# Altium PCB 键盘 - 俊杰.PcbDoc (part 3 of 4)
Units mil, origin at the board's own origin, x right, y up, seen from the top; angles counter-clockwise.
Board outline 17460 x 5880 mil, 2 copper layers (Top Layer, Bottom Layer); 278 components, 283 nets, 1577 pads, 1412 vias.
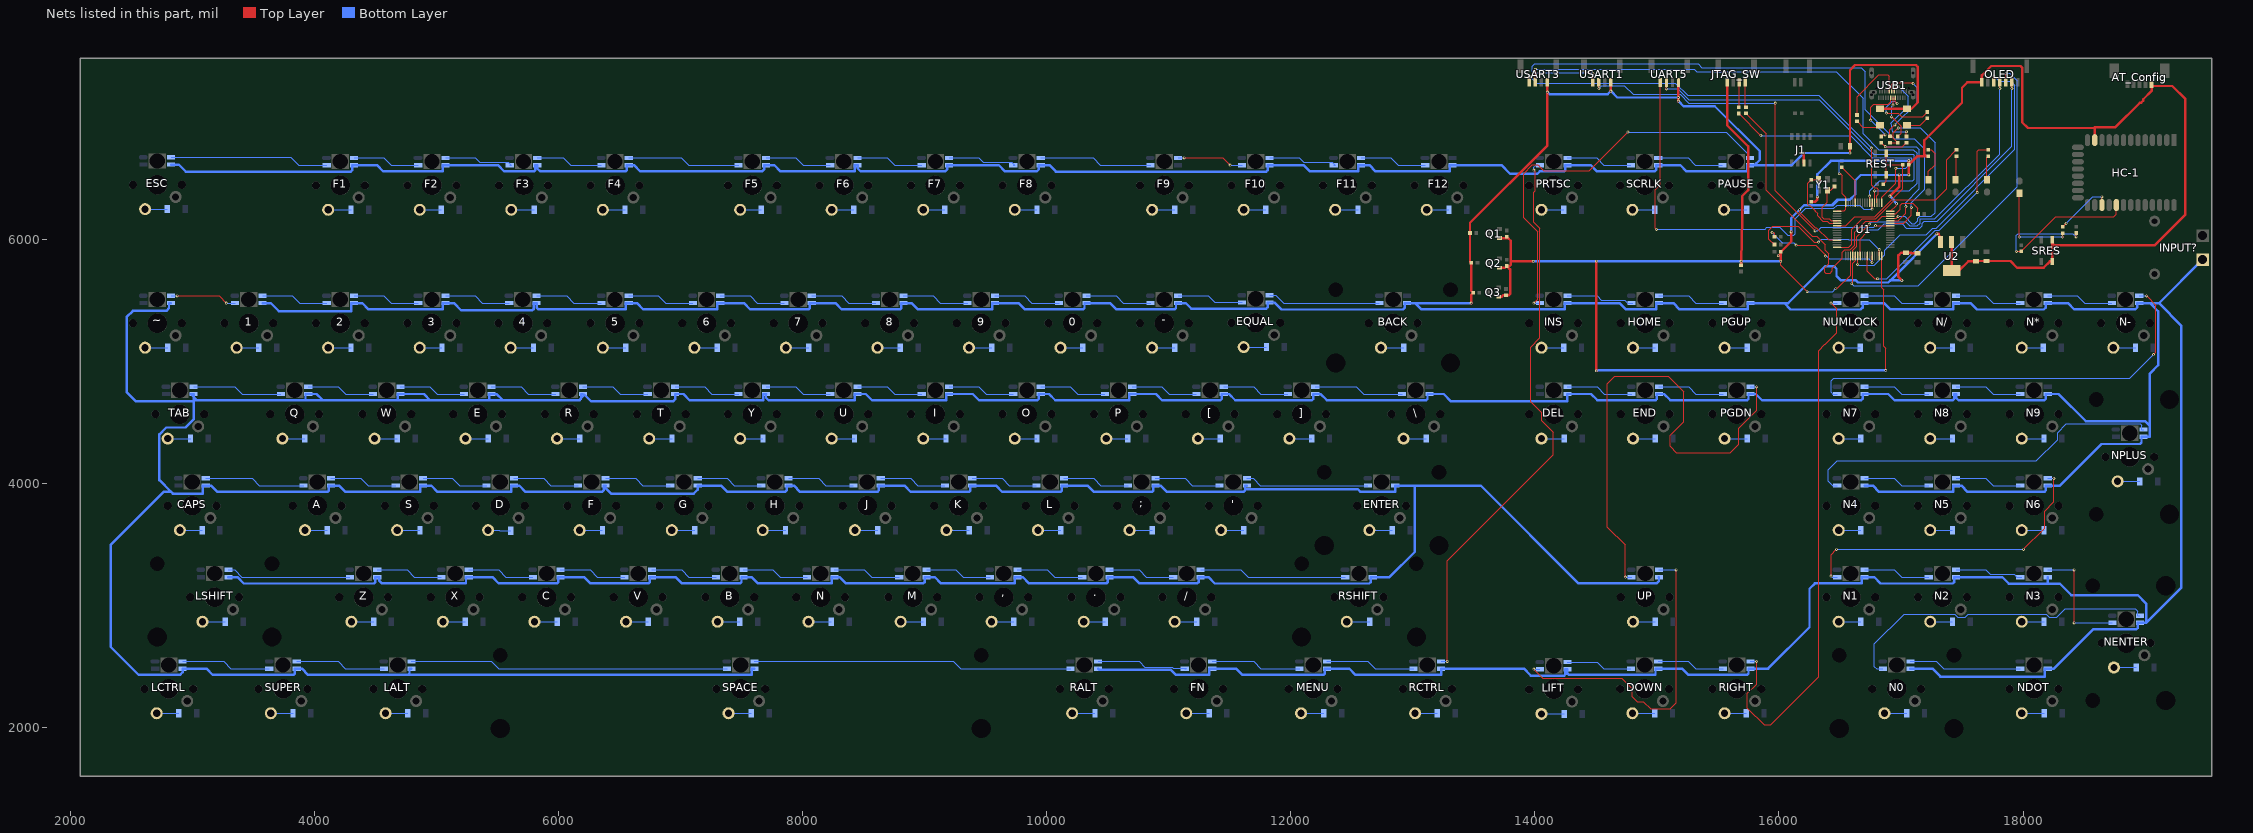
[diagram p3: the nets of this part, all layers, seen from the top]

## Via types
v1: diameter 20, hole 10, Top Layer to Bottom Layer, 1072 vias
v2: diameter 24.02, hole 12.01, Top Layer to Bottom Layer, 310 vias
v3: diameter 20, hole 10, Top Layer to Bottom Layer, tented both sides, 30 vias

## Nets (pads, with @x,y where several pads share a name; then routed paths per layer and width w, separated by ;. In a path a pad name is that pad's centre, name@x,y a point inside that pad or via, vN(x,y) a via of type N, cw(c..) or ccw(c..) an arc to the next point about the centre after c; other vN are vias at no path point) (continued)
L_VCC: 0.3 1.3 2.3 3.3 4.3 5.3 6.3 7.3 8.3 9.3 '.3 ,.3 -.3 ..3 /.3 ;.3 [.3 \.3 ].3 A.3 B.3 BACK.3 C9.2 C10.2 C13.1 C.3 CAPS.3 D.3 DEL.3 DOWN.3 E.3 END.3 ENTER.3 EQUAL.3 ESC.3 F1.3 F2.3 F3.3 F4.3 F5.3 F6.3 F7.3 F8.3 F10.3 F11.3 F12.3 F.3 FN.3 FUSB2.2 FUSB.1 G.3 H.3 HOME.3 I.3 INPUT?.2 INS.3 J1.3 J.3 K.3 L.3 LALT.3 LCTRL.3 LIFT.3 LSHIFT.3 M.3 MENU.3 N0.3 N1.3 N2.3 N3.3 N4.3 N5.3 N6.3 N7.3 N8.3 N9.3 N*.3 N-.3 N.3 N/.3 NDOT.3 NENTER.3 NPLUS.3 NUMLOCK.3 O.3 P.3 PAUSE.3 PGDN.3 PGUP.3 PRTSC.3 Q.3 R9.2 R12.2 R19.2 R.3 RALT.3 RCTRL.3 RIGHT.3 RSHIFT.3 S.3 SCRLK.3 SPACE.3 SUPER.3 T.3 TAB.3 U2.3 U.3 UART5.1 UP.3 USART1.1 USART3.1 V.3 W.3 X.3 Y.3 Z.3 ~.3 | length 114127.8
  Top Layer w20: v2(13479,5475) 13479,5544 R19.2@13495,5560 13479.41,5575.59 R12.2@13479.41,5805 13469.41,5815 R9.2@13469.41,6050 13469.41,6133.41 14103.43,6767.43 v2(14103.43,7204) USART3.1@14103.43,7285 ; v2(14623.43,7212.56) USART1.1@14623.43,7285 ; v2(15177.17,7130.76) v2(15177.17,7159.83) UART5.1@15177.17,7283.11 ; J1.3@16205,6623.46 v2(16205,6705) ; v2(16582.4,6705) C13.1@16582.4,6760 16582.4,7383.4 16625,7426 17122,7426 17138,7410 17138,7120 17085.5,7067.5 FUSB2.2@17050,7067.5 FUSB.1@16830,7067.5 ; v2(17008,5661) 16979.26,5689.74 16979.26,5865.84 17000.81,5887.4 C9.2@17040,5887.4 17086,5887.4 17088.59,5884.8 C10.2@17135,5884.8 ; v2(17295,6043) 17311.45,6043 U2.3@17324.45,5976.93
  Bottom Layer w20: ~.3@2827.2,5475.47 2811,5475.47 2811,5434 2789,5412 2515,5412 2463,5360 2463,4746 2539,4670 3013,4670 ; ESC.3@2827.2,6610.47 2891,6610.47 2948.47,6553 4300,6553 4311,6564 4311,6605.47 F1.3@4327.2,6605.47 4514.53,6605.47 4566,6554 5054,6554 5054,6605.47 F2.3@5077.2,6605.47 5505.53,6605.47 5557,6554 5800,6554 5811,6565 5811,6605.47 F3.3@5827,6605.47 ; LCTRL.3@2922.2,2480.47 LCTRL.3@2923,2480.47 ; LSHIFT.3@3297.2,3230.47 3371,3230.47 3423.47,3178 4490,3178 4501,3189 4501,3230.47 Z.3@4517.2,3230.47 4534,3230.47 4534,3200 4555,3179 5244,3179 5244,3230.47 X.3@5267.2,3230.47 5461,3230.47 5512.47,3179 5990,3179 6001,3190 6001,3230.47 C.3@6017.2,3230.47 6211,3230.47 6262.47,3179 6740,3179 6751,3190 6751,3230.47 V.3@6767.2,3230.47 6961,3230.47 7012.47,3179 7490,3179 7501,3190 7501,3230.47 B.3@7517.2,3230.47 7584.53,3230.47 7636,3179 8239,3179 8239,3230.47 N.3@8262.2,3230.47 8305,3230.47 8356.47,3179 8990,3179 9001,3190 9001,3230.47 M.3@9017.2,3230.47 9084.53,3230.47 9136,3179 9739,3179 9739,3230.47 9762.2,3230.47 9805,3230.47 9856.47,3179 10490,3179 10501,3190 10501,3230.47 ..3@10517.2,3230.47 10709,3230.47 10760.47,3179 11235,3179 11246,3190 11246,3230.47 /.3@11262.2,3230.47 11326,3230.47 11378.47,3178 12644,3178 12656,3190 12656,3230.47 RSHIFT.3@12672.2,3230.47 12810,3230.47 13018,3438.47 13018,3974.47 13012,3980.47 ; 1.3@3577.2,5475.47 3644.53,5475.47 3710,5410 4304,5410 4304,5475.47 2.3@4327.2,5475.47 4394.53,5475.47 4446,5424 5054,5424 5054,5475.47 3.3@5077.2,5475.47 5144.53,5475.47 5205,5415 5785.83,5415 5794.96,5424.13 5798.74,5424.13 5798.74,5427.91 5799,5428.17 5799,5475.47 4.3@5822,5475.47 ; LALT.3@4797.2,2480.47 4781,2480.47 4781,2440 4770,2429 ; 4.3@5822.2,5475.47 4.3@5822,5475.47 ; F3.3@5827.2,6605.47 F3.3@5827,6605.47 ; R.3@6202.2,4730.47 6186,4730.47 6186,4690 6175,4679 5546.47,4679 ; F.3@6387.2,3980.47 F.3@6387,3980.47 ; SPACE.3@7607.2,2480.47 7584,2480.47 7584,2429 4770,2429 ; Y.3@7702.2,4730.47 Y.3@7702,4730.47 ; F6.3@8452.2,6605.47 F6.3@8452,6605.47 ; RALT.3@10422.2,2480.47 10432.68,2470 11020,2470 11061,2429 11334,2429 11334,2480.47 FN.3@11357.2,2480.47 11553,2480.47 11604.47,2429 12270,2429 12281,2440 12281,2480.47 MENU.3@12297.2,2480.47 12480.53,2480.47 12532,2429 13232.2,2429 RCTRL.3@13232.2,2480.47 13910.53,2480.47 13967,2424 14240,2424 14251,2435 14251,2475.47 LIFT.3@14267,2475.47 ; '.3@11642.2,3980.47 11626,3980.47 11626,3951 ; v2(13479,5475) 13478.53,5475.47 13019.53,5475.47 ; v2(14103.43,7204) 14121.43,7186 14596.87,7186 v2(14623.43,7212.56) 14676.15,7159.83 v2(15177.17,7159.83) ; LIFT.3@14267.2,2475.47 LIFT.3@14267,2475.47 ; UP.3@15017.2,3230.47 15018,3230.47 15018,3200 14997,3179 14359,3179 13557.53,3980.47 13012,3980.47 ; v2(15177.17,7130.76) 15219.96,7087.96 15475.04,7087.96 15843,6720 15843,6648.47 15800,6605.47 ; v2(16582.4,6705) v2(16205,6705) 16105.47,6605.47 15800,6605.47 ; N4.3@16702.2,3980.47 16769.53,3980.47 16821,3929 17429,3929 17429,3980.47 N5.3@17452.2,3980.47 17495,3980.47 17546.47,3929 18175,3929 18186,3940 18186,3980.47 N6.3@18202.2,3980.47 18302.47,3980.47 18643,4321 18960,4321 18971,4332 18971,4380.47 NPLUS.3@18987.2,4380.47 19039,4380.47 19039,4468 ; v2(17008,5661) 16913,5661 ; N0.3@17077.2,2480.47 17257.53,2480.47 17323,2415 18179,2415 18179,2480.47 NDOT.3@18202.2,2480.47 18254,2480.47 18577.53,2804 18930,2804 18941,2815 18941,2855.47 NENTER.3@18957.2,2855.47 19008.47,2855.47 19009,2856 ; v2(17295,6043) 16913,5661 ; N8.3@17452.2,4730.47 N8.3@17452,4730.47 ; N3.3@18202.2,3230.47 18203,3230.47 18203,3189 18190,3176 ; INPUT?.2@19471.85,5831.57 19115.75,5475.47 ; 2828.74,3929 2842.74,3915 3089,3915 3089,3980.47 CAPS.3@3112.2,3980.47 3155,3980.47 3207.47,3928 4110,3928 4121,3939 4121,3980.47 A.3@4137.2,3980.47 4204.53,3980.47 4256,3929 4869,3929 4869,3980.47 S.3@4892.2,3980.47 4959.53,3980.47 5011,3929 5614,3929 5614,3980.47 D.3@5637.2,3980.47 5680,3980.47 5731.47,3929 6360,3929 6371,3940 6371,3980.47 F.3@6387,3980.47 ; 2828.74,3929 2732,4025.74 2732,4400 2788,4456 2946.12,4456 3013,4522.88 3013,4670 ; 2828.74,3929 2766,3929 2332,3495 2332,2660 2563,2429 2900,2429 2923,2452 LCTRL.3@2923,2480.47 ; LCTRL.3@2923,2480.47 3118,2480.47 3169.47,2429 3830,2429 3841,2440 3841,2480.47 SUPER.3@3857.2,2480.47 3899.53,2480.47 ; 3013,4670 3022,4679 3929,4679 ; 3013,4670 3013,4730.47 TAB.3@3012.2,4730.47 2989,4730.47 3040.47,4679 3929,4679 ; 3899.53,2480.47 3900,2480.47 3951.47,2429 ; 3899.53,2480.47 3951,2429 3951.47,2429 ; 3929,4679 4071,4679 ; 3929,4679 3929,4730.47 Q.3@3952.2,4730.47 4019.53,4730.47 4071,4679 ; 3951.47,2429 4770,2429 ; 4071,4679 4684,4679 ; 4684,4679 4950.47,4679 ; 4684,4679 4684,4730.47 W.3@4707.2,4730.47 4899,4730.47 4950.47,4679 ; 4950.47,4679 5425,4679 ; 5425,4679 5546.47,4679 ; 5425,4679 5436,4690 5436,4730.47 E.3@5452.2,4730.47 5495,4730.47 5546.47,4679 ; 5546.47,4679 6169,4679 6215,4725 6270,4670 6940,4670 6957.2,4687.2 T.3@6957.2,4730.47 7024.53,4730.47 7076,4679 7679,4679 7679,4730.47 Y.3@7702,4730.47 ; 4.3@5822,5475.47 5822,5440 5838,5424 6554,5424 6554,5475.47 5.3@6577.2,5475.47 6644.53,5475.47 6696,5424 7304,5424 7304,5475.47 6.3@7327.2,5475.47 7521,5475.47 7572.47,5424 8050,5424 8061,5435 8061,5475.47 7.3@8077.2,5475.47 8271,5475.47 8322.47,5424 8800,5424 8811,5435 8811,5475.47 8.3@8827.2,5475.47 8894.53,5475.47 8946,5424 9554,5424 9554,5475.47 9.3@9577.2,5475.47 9771,5475.47 9822.47,5424 10300,5424 10311,5435 10311,5475.47 0.3@10327.2,5475.47 10521,5475.47 10572.47,5424 11050,5424 11061,5435 11061,5475.47 -.3@11077.2,5475.47 11141,5475.47 11187.47,5429 11800,5429 11811,5440 11811,5480.47 EQUAL.3@11827.2,5480.47 11869,5480.47 11926.47,5423 12920,5423 12936,5439 12936,5475.47 BACK.3@12952.2,5475.47 13019.53,5475.47 ; F3.3@5827,6605.47 5827,6580 5853,6554 6550,6554 6561,6565 6561,6605.47 F4.3@6577.2,6605.47 6620,6605.47 6671.47,6554 7670,6554 7686,6570 7686,6605.47 F5.3@7702.2,6605.47 7769.53,6605.47 7821,6554 8429,6554 8429,6605.47 F6.3@8452,6605.47 ; F.3@6387,3980.47 6387,3960 6432,3915 7110,3915 7142.2,3947.2 G.3@7142.2,3980.47 7334,3980.47 7385.47,3929 7860,3929 7871,3940 7871,3980.47 H.3@7887.2,3980.47 7930,3980.47 7981.47,3929 8615,3929 8626,3940 8626,3980.47 J.3@8642.2,3980.47 8836,3980.47 8887.47,3929 9365,3929 9376,3940 9376,3980.47 K.3@9392.2,3980.47 9586,3980.47 9637.47,3929 10115,3929 10126,3940 10126,3980.47 L.3@10142.2,3980.47 10336,3980.47 10387.47,3929 10865,3929 10876,3940 10876,3980.47 10892.2,3980.47 10935,3980.47 10986.47,3929 11615,3929 11626,3940 11626,3951 ; Y.3@7702,4730.47 7702,4700 7723,4679 8429,4679 8429,4730.47 U.3@8452.2,4730.47 8519.53,4730.47 8571,4679 9179,4679 9179,4730.47 I.3@9202.2,4730.47 9396,4730.47 9447.47,4679 9925,4679 9936,4690 9936,4730.47 O.3@9952.2,4730.47 10019.53,4730.47 10071,4679 10679,4679 10679,4730.47 P.3@10702.2,4730.47 10896,4730.47 10947.47,4679 11425,4679 11436,4690 11436,4730.47 [.3@11452.2,4730.47 11495,4730.47 11546.47,4679 12175,4679 12186,4690 12186,4730.47 ].3@12202.2,4730.47 12245,4730.47 12296.47,4679 13110,4679 13121,4690 13121,4730.47 \.3@13137.2,4730.47 13254.53,4730.47 13315,4670 14267.2,4670 DEL.3@14267.2,4730.47 14461,4730.47 14512.47,4679 14990,4679 15001,4690 15001,4730.47 END.3@15017.2,4730.47 15060,4730.47 15111.47,4679 15740,4679 15751,4690 15751,4730.47 PGDN.3@15767.2,4730.47 15810,4730.47 15861.47,4679 16675,4679 16686,4690 16686,4730.47 N7.3@16702.2,4730.47 16896,4730.47 16947.47,4679 17425,4679 17436,4690 17436,4730.47 N8.3@17452,4730.47 ; F6.3@8452,6605.47 8452,6580 8478,6554 9170,6554 9186,6570 9186,6605.47 F7.3@9202.2,6605.47 9608.53,6605.47 9660,6554 9920,6554 9936,6570 9936,6605.47 F8.3@9952.2,6605.47 10024,6605.47 10076.47,6553 11800,6553 11811,6564 11811,6605.47 F10.3@11827.2,6605.47 12106.53,6605.47 12158,6554 12554,6554 12554,6605.47 F11.3@12577.2,6605.47 12644.53,6605.47 12696,6554 13304,6554 13304,6605.47 F12.3@13327.2,6605.47 13727.53,6605.47 13797.88,6535.12 14021.88,6535.12 14040.76,6554 14240,6554 14251,6565 14251,6605.47 PRTSC.3@14267.2,6605.47 14459,6605.47 14510.47,6554 14980,6554 14996,6570 14996,6605.47 SCRLK.3@15012.2,6605.47 15191.53,6605.47 15243,6554 15739,6554 15739,6605.47 PAUSE.3@15762.2,6605.47 15800,6605.47 ; 11626,3951 12550,3951 12572,3929 12857.2,3929 ENTER.3@12857.2,3980.47 13012,3980.47 ; 13019.53,5475.47 13071,5424 14244,5424 14244,5475.47 INS.3@14267.2,5475.47 14695.53,5475.47 14747,5424 14994,5424 14994,5475.47 HOME.3@15017.2,5475.47 15135.53,5475.47 15187,5424 15744,5424 15744,5475.47 PGUP.3@15767.2,5475.47 16044,5475.47 ; LIFT.3@14267,2475.47 14267,2440 14278,2429 14989,2429 14989,2480.47 DOWN.3@15012.2,2480.47 15207,2480.47 15258.47,2429 15740,2429 15751,2440 15751,2480.47 RIGHT.3@15767.2,2480.47 15911.47,2480.47 16251,2820 16251,3135 16295,3179 16679,3179 16679,3230.47 N1.3@16702.2,3230.47 16781,3230.47 16833.47,3178 17424,3178 17436,3190 17436,3230.47 N2.3@17452.2,3230.47 17829.53,3230.47 17884,3176 18190,3176 ; 16044,5475.47 16076.59,5475.47 16380,5778.88 16450.01,5778.88 16472,5756.9 16472,5698 16506.12,5663.88 16626.88,5663.88 16646.88,5643.88 16895.88,5643.88 16913,5661 ; 16044,5475.47 16096.47,5423 16670,5423 16686,5439 16686,5475.47 NUMLOCK.3@16702.2,5475.47 16862.53,5475.47 16914,5424 17429,5424 17429,5475.47 N/.3@17452.2,5475.47 17570,5475.47 17622.47,5423 18170,5423 18186,5439 18186,5475.47 N*.3@18202.2,5475.47 18368.53,5475.47 18420,5424 18920,5424 18936,5440 18936,5475.47 N-.3@18952.2,5475.47 19040,5475.47 ; N8.3@17452,4730.47 17452,4700 17473,4679 18175,4679 18186,4690 18186,4730.47 N9.3@18202.2,4730.47 18292,4730.47 18513.73,4508.74 18998.26,4508.74 19039,4468 ; 18190,3176 18302,3176 18396,3082 18941,3082 19009,3014 19009,2856 ; 19009,2856 19297,3144 19297,5286.47 19115.75,5475.47 ; 19039,4468 19039,4898 19108,4967 19108,5407.47 19040,5475.47 ; 19040,5475.47 19115.75,5475.47
LED1(PA2): R5.2 U1.16 | length 1522.1
  Top Layer w10: U1.16@16476.5,5932.36 16572.36,5932.36 16597.35,5957.35 16597.35,6080.35 16682.62,6165.62 16794,6165.62 16948.38,6320 17285,6320 17376,6411 17376,6651.58 R5.2@17455,6730.59
LED2(PB0): R6.2 U1.26 | length 1778
  Top Layer w10: U1.26@16724.53,5861.5 16724.53,5735.47 16785,5675 v2(16809.53,5675) ; v2(17625,6380) 17625,6720 17635.59,6730.59 R6.2@17715,6730.59
  Bottom Layer w10: v2(16809.53,5675) 16882.72,5675 17279.04,6071.32 17313.32,6071.32 17622,6380 v2(17625,6380)
Net0_2: 0.2 D27.1 | length 182
  Bottom Layer w10: 0.2@10115,5110 D27.1@10297,5110
Net0_4: 0.4 -.6 | length 550.1
  Bottom Layer w10: 0.4@10327.2,5534.53 10571,5534.53 10630.06,5475.47 -.6@10852.8,5475.47
Net0_6: 0.6 9.4 | length 550.1
  Bottom Layer w10: 9.4@9577.2,5534.53 9821,5534.53 9880.06,5475.47 0.6@10102.8,5475.47
Net1_2: 1.2 D18.1 | length 182
  Bottom Layer w10: 1.2@3365,5110 D18.1@3547,5110
Net1_4: 1.4 2.6 | length 550.1
  Bottom Layer w10: 1.4@3577.2,5534.53 3821,5534.53 3880.06,5475.47 2.6@4102.8,5475.47
Net1_6: 1.6 ~.4 | length 550.4
  Top Layer w10: v2(2878,5535) 3220.47,5535 v2(3280,5475.47)
  Bottom Layer w10: ~.4@2827.2,5534.53 2877.53,5534.53 v2(2878,5535) ; v2(3280,5475.47) 1.6@3352.8,5475.47
Net2_2: 2.2 D19.1 | length 187
  Bottom Layer w10: 2.2@4115,5110 D19.1@4302,5110
Net2_4: 2.4 3.6 | length 550.1
  Bottom Layer w10: 2.4@4327.2,5534.53 4571,5534.53 4630.06,5475.47 3.6@4852.8,5475.47
Net3_2: 3.2 D20.1 | length 182
  Bottom Layer w10: 3.2@4865,5110 D20.1@5047,5110
Net3_4: 3.4 4.6 | length 545.1
  Bottom Layer w10: 3.4@5077.2,5534.53 5318,5534.53 5377.06,5475.47 4.6@5597.8,5475.47
Net4_2: 4.2 D21.1 | length 187
  Bottom Layer w10: 4.2@5610,5110 D21.1@5797,5110
Net4_4: 4.4 5.6 | length 555.1
  Bottom Layer w10: 4.4@5822.2,5534.53 6068,5534.53 6127.06,5475.47 5.6@6352.8,5475.47
Net5_2: 5.2 D22.1 | length 187
  Bottom Layer w10: 5.2@6365,5110 D22.1@6552,5110
Net5_4: 5.4 6.6 | length 550.1
  Bottom Layer w10: 5.4@6577.2,5534.53 6821,5534.53 6880.06,5475.47 6.6@7102.8,5475.47
Net6_2: 6.2 D23.1 | length 187
  Bottom Layer w10: 6.2@7115,5110 D23.1@7302,5110
Net6_4: 6.4 7.6 | length 550.1
  Bottom Layer w10: 6.4@7327.2,5534.53 7571,5534.53 7630.06,5475.47 7.6@7852.8,5475.47
Net7_2: 7.2 D24.1 | length 187
  Bottom Layer w10: 7.2@7865,5110 D24.1@8052,5110
Net7_4: 7.4 8.6 | length 550.1
  Bottom Layer w10: 7.4@8077.2,5534.53 8321,5534.53 8380.06,5475.47 8.6@8602.8,5475.47
Net8_2: 8.2 D25.1 | length 187
  Bottom Layer w10: 8.2@8615,5110 D25.1@8802,5110
Net8_4: 8.4 9.6 | length 550.1
  Bottom Layer w10: 8.4@8827.2,5534.53 9071,5534.53 9130.06,5475.47 9.6@9352.8,5475.47
Net9_2: 9.2 D26.1 | length 187
  Bottom Layer w10: 9.2@9365,5110 D26.1@9552,5110
Net'_2: '.2 D56.1 | length 187
  Bottom Layer w10: '.2@11430,3615 D56.1@11617,3615
Net'_4: '.4 ENTER.6 | length 1015.1
  Bottom Layer w10: '.4@11642.2,4039.53 11692.68,4039.53 11751.73,3980.47 ENTER.6@12632.8,3980.47
Net'_6: '.6 ;.4 | length 550.1
  Bottom Layer w10: 10892.2,4039.53 11136,4039.53 11195.06,3980.47 '.6@11417.8,3980.47
Net,_2: ,.2 D66.1 | length 182
  Bottom Layer w10: 9550,2865 D66.1@9732,2865
Net,_4: ,.4 ..6 | length 555.1
  Bottom Layer w10: 9762.2,3289.53 10008,3289.53 10067.06,3230.47 ..6@10292.8,3230.47
Net,_6: ,.6 M.4 | length 545.1
  Bottom Layer w10: M.4@9017.2,3289.53 9258,3289.53 9317.06,3230.47 9537.8,3230.47
Net-_2: -.2 D28.1 | length 187
  Bottom Layer w10: -.2@10865,5110 D28.1@11052,5110
Net-_4: -.4 EQUAL.6 | length 548
  Bottom Layer w10: -.4@11077.2,5534.53 11323,5534.53 11377.06,5480.47 EQUAL.6@11602.8,5480.47
Net._2: ..2 D67.1 | length 177
  Bottom Layer w10: ..2@10305,2865 D67.1@10482,2865
Net._4: ..4 /.6 | length 545.1
  Bottom Layer w10: ..4@10517.2,3289.53 10758,3289.53 10817.06,3230.47 /.6@11037.8,3230.47
Net/_2: /.2 D68.1 | length 182
  Bottom Layer w10: /.2@11050,2865 D68.1@11232,2865
Net/_4: /.4 RSHIFT.6 | length 1210.1
  Bottom Layer w10: /.4@11262.2,3289.53 11592,3289.53 11651.06,3230.47 RSHIFT.6@12447.8,3230.47
Net;_2: ;.2 D55.1 | length 187
  Bottom Layer w10: 10680,3615 D55.1@10867,3615
Net;_6: ;.6 L.4 | length 550.1
  Bottom Layer w10: L.4@10142.2,4039.53 10386,4039.53 10445.06,3980.47 10667.8,3980.47
Net[_2: [.2 D42.1 | length 182
  Bottom Layer w10: [.2@11240,4365 D42.1@11422,4365
Net[_4: [.4 ].6 | length 550.1
  Bottom Layer w10: [.4@11452.2,4789.53 11696,4789.53 11755.06,4730.47 ].6@11977.8,4730.47
Net[_6: [.6 P.4 | length 550.1
  Bottom Layer w10: P.4@10702.2,4789.53 10946,4789.53 11005.06,4730.47 [.6@11227.8,4730.47
Net\_2: \.2 D44.1 | length 187
  Bottom Layer w10: \.2@12925,4365 D44.1@13112,4365
Net\_6: \.6 ].4 | length 735.1
  Bottom Layer w10: ].4@12202.2,4789.53 12538,4789.53 12597.06,4730.47 \.6@12912.8,4730.47
Net]_2: ].2 D43.1 | length 182
  Bottom Layer w10: ].2@11990,4365 D43.1@12172,4365
NetA_2: A.2 D46.1 | length 182
  Bottom Layer w10: A.2@3925,3615 D46.1@4107,3615
NetA_4: A.4 S.6 | length 555.1
  Bottom Layer w10: A.4@4137.2,4039.53 4383,4039.53 4442.06,3980.47 S.6@4667.8,3980.47
NetA_6: A.6 CAPS.4 | length 825.1
  Bottom Layer w10: CAPS.4@3112.2,4039.53 3493,4039.53 3552.06,3980.47 A.6@3912.8,3980.47
NetB_2: B.2 D63.1 | length 182
  Bottom Layer w10: B.2@7305,2865 D63.1@7487,2865
NetB_4: B.4 N.6 | length 545.1
  Bottom Layer w10: B.4@7517.2,3289.53 7758,3289.53 7817.06,3230.47 N.6@8037.8,3230.47
NetB_6: B.6 V.4 | length 550.1
  Bottom Layer w10: V.4@6767.2,3289.53 7011,3289.53 7070.06,3230.47 B.6@7292.8,3230.47
NetBACK_2: BACK.2 D30.1 | length 187
  Bottom Layer w10: BACK.2@12740,5110 D30.1@12927,5110
NetBACK_6: BACK.6 EQUAL.4 | length 927.1
  Bottom Layer w10: EQUAL.4@11827.2,5539.53 11877.68,5539.53 11941.73,5475.47 BACK.6@12727.8,5475.47
NetC2_1: C2.1 U1.47 | length 346
  Top Layer w10: U1.47@16913.5,6207.95 16957.95,6207.95 16993.98,6243.98 16993.98,6278.23 17010.75,6295 17095,6295 17139.41,6250.59 C2.1@17139.41,6205
NetC6_1: C6.1 U1.31 | length 1200.3
  Top Layer w10: C6.1@15964.41,5955 15919,6000.4 15919,6071 15951.13,6103.13 16160.3,6103.13 16288.43,5975 v2(16325,5975) ; v2(16822,5914) 16822.95,5913.05 U1.31@16822.95,5861.5
  Bottom Layer w10: v2(16325,5975) 16346.61,5996.61 16570.31,5996.61 16571.92,5995 16741,5995 v2(16822,5914)
NetC_2: C.2 D61.1 | length 187
  Bottom Layer w10: C.2@5805,2865 D61.1@5992,2865
NetC_4: C.4 V.6 | length 550.1
  Bottom Layer w10: C.4@6017.2,3289.53 6261,3289.53 6320.06,3230.47 V.6@6542.8,3230.47
NetC_6: C.6 X.4 | length 550.1
  Bottom Layer w10: X.4@5267.2,3289.53 5511,3289.53 5570.06,3230.47 C.6@5792.8,3230.47
NetCAPS_2: CAPS.2 D45.1 | length 182
  Bottom Layer w10: CAPS.2@2900,3615 D45.1@3082,3615
NetD1_1: D1.1 R4.1 | length 305.5
  Top Layer w10: D1.1@17225,6485 17225,6554 17280,6609 17280,6700 17249.41,6730.59 R4.1@17225,6730.59
NetD2_1: D2.1 R5.1 | length 197.5
  Top Layer w10: D2.1@17447.5,6485 17455,6492.5 R5.1@17455,6679.41
NetD3_1: D3.1 R6.1 | length 198.5
  Top Layer w10: D3.1@17705,6485 17705,6669.4 R6.1@17715,6679.41
NetD4_1: D4.1 ESC.2 | length 182
  Bottom Layer w10: ESC.2@2615,6245 D4.1@2797,6245
NetD5_1: D5.1 F1.2 | length 187
  Bottom Layer w10: F1.2@4115,6240 D5.1@4302,6240
NetD6_1: D6.1 F2.2 | length 177
  Bottom Layer w10: F2.2@4865,6240 D6.1@5042,6240
NetD7_1: D7.1 F3.2 | length 187
  Bottom Layer w10: F3.2@5615,6240 D7.1@5802,6240
NetD8_1: D8.1 F4.2 | length 182
  Bottom Layer w10: F4.2@6365,6240 D8.1@6547,6240
NetD9_1: D9.1 F5.2 | length 172
  Bottom Layer w10: F5.2@7490,6240 D9.1@7662,6240
NetD10_1: D10.1 F6.2 | length 182
  Bottom Layer w10: F6.2@8240,6240 D10.1@8422,6240
NetD11_1: D11.1 F7.2 | length 177
  Bottom Layer w10: F7.2@8990,6240 D11.1@9167,6240
NetD12_1: D12.1 F8.2 | length 182
  Bottom Layer w10: F8.2@9740,6240 D12.1@9922,6240
NetD13_1: D13.1 F9.2 | length 187
  Bottom Layer w10: F9.2@10865,6240 D13.1@11052,6240
NetD14_1: D14.1 F10.2 | length 182
  Bottom Layer w10: F10.2@11615,6240 D14.1@11797,6240
NetD15_1: D15.1 F11.2 | length 187
  Bottom Layer w10: F11.2@12365,6240 D15.1@12552,6240
NetD16_1: D16.1 F12.2 | length 182
  Bottom Layer w10: F12.2@13115,6240 D16.1@13297,6240
NetD17_1: D17.1 ~.2 | length 187
  Bottom Layer w10: ~.2@2615,5110 D17.1@2802,5110
NetD29_1: D29.1 EQUAL.2 | length 187
  Bottom Layer w10: EQUAL.2@11615,5115 D29.1@11802,5115
NetD31_1: D31.1 TAB.2 | length 187
  Bottom Layer w10: TAB.2@2800,4365 D31.1@2987,4365
NetD32_1: D32.1 Q.2 | length 182
  Bottom Layer w10: Q.2@3740,4365 D32.1@3922,4365
NetD33_1: D33.1 W.2 | length 187
  Bottom Layer w10: W.2@4495,4365 D33.1@4682,4365
NetD34_1: D34.1 E.2 | length 187
  Bottom Layer w10: E.2@5240,4365 D34.1@5427,4365
NetD35_1: D35.1 R.2 | length 187
  Bottom Layer w10: R.2@5990,4365 D35.1@6177,4365
NetD36_1: D36.1 T.2 | length 187
  Bottom Layer w10: T.2@6745,4365 D36.1@6932,4365
NetD37_1: D37.1 Y.2 | length 187
  Bottom Layer w10: Y.2@7490,4365 D37.1@7677,4365
NetD38_1: D38.1 U.2 | length 187
  Bottom Layer w10: U.2@8240,4365 D38.1@8427,4365
NetD39_1: D39.1 I.2 | length 187
  Bottom Layer w10: I.2@8990,4365 D39.1@9177,4365
NetD40_1: D40.1 O.2 | length 182
  Bottom Layer w10: O.2@9740,4365 D40.1@9922,4365
NetD41_1: D41.1 P.2 | length 177
  Bottom Layer w10: P.2@10490,4365 D41.1@10667,4365
NetD47_1: D47.1 S.2 | length 187
  Bottom Layer w10: S.2@4680,3615 D47.1@4867,3615
NetD48_1: D48.1 D.2 | length 189.1
  Bottom Layer w10: D.2@5425,3615 5516,3615 5521,3610 D48.1@5612,3610
NetD49_1: D49.1 F.2 | length 187
  Bottom Layer w10: F.2@6175,3615 D49.1@6362,3615
NetD50_1: D50.1 G.2 | length 187
  Bottom Layer w10: G.2@6930,3615 D50.1@7117,3615
NetD51_1: D51.1 H.2 | length 187
  Bottom Layer w10: H.2@7675,3615 D51.1@7862,3615
NetD52_1: D52.1 J.2 | length 187
  Bottom Layer w10: J.2@8430,3615 D52.1@8617,3615
NetD53_1: D53.1 K.2 | length 187
  Bottom Layer w10: K.2@9180,3615 D53.1@9367,3615
NetD54_1: D54.1 L.2 | length 187
  Bottom Layer w10: L.2@9930,3615 D54.1@10117,3615
NetD57_1: D57.1 ENTER.2 | length 187
  Bottom Layer w10: ENTER.2@12645,3615 D57.1@12832,3615
NetD58_1: D58.1 LSHIFT.2 | length 187
  Bottom Layer w10: LSHIFT.2@3085,2865 D58.1@3272,2865
NetD59_1: D59.1 Z.2 | length 182
  Bottom Layer w10: Z.2@4305,2865 D59.1@4487,2865
NetD60_1: D60.1 X.2 | length 182
  Bottom Layer w10: X.2@5055,2865 D60.1@5237,2865
NetD62_1: D62.1 V.2 | length 182
  Bottom Layer w10: V.2@6555,2865 D62.1@6737,2865
NetD64_1: D64.1 N.2 | length 187
  Bottom Layer w10: N.2@8050,2865 D64.1@8237,2865
NetD65_1: D65.1 M.2 | length 187
  Bottom Layer w10: M.2@8805,2865 D65.1@8992,2865
NetD69_1: D69.1 RSHIFT.2 | length 187
  Bottom Layer w10: RSHIFT.2@12460,2865 D69.1@12647,2865
NetD70_1: D70.1 LCTRL.2 | length 182
  Bottom Layer w10: LCTRL.2@2710,2115 D70.1@2892,2115